# Altium PCB PCB1.PcbDoc (part 1 of 2) (continued)
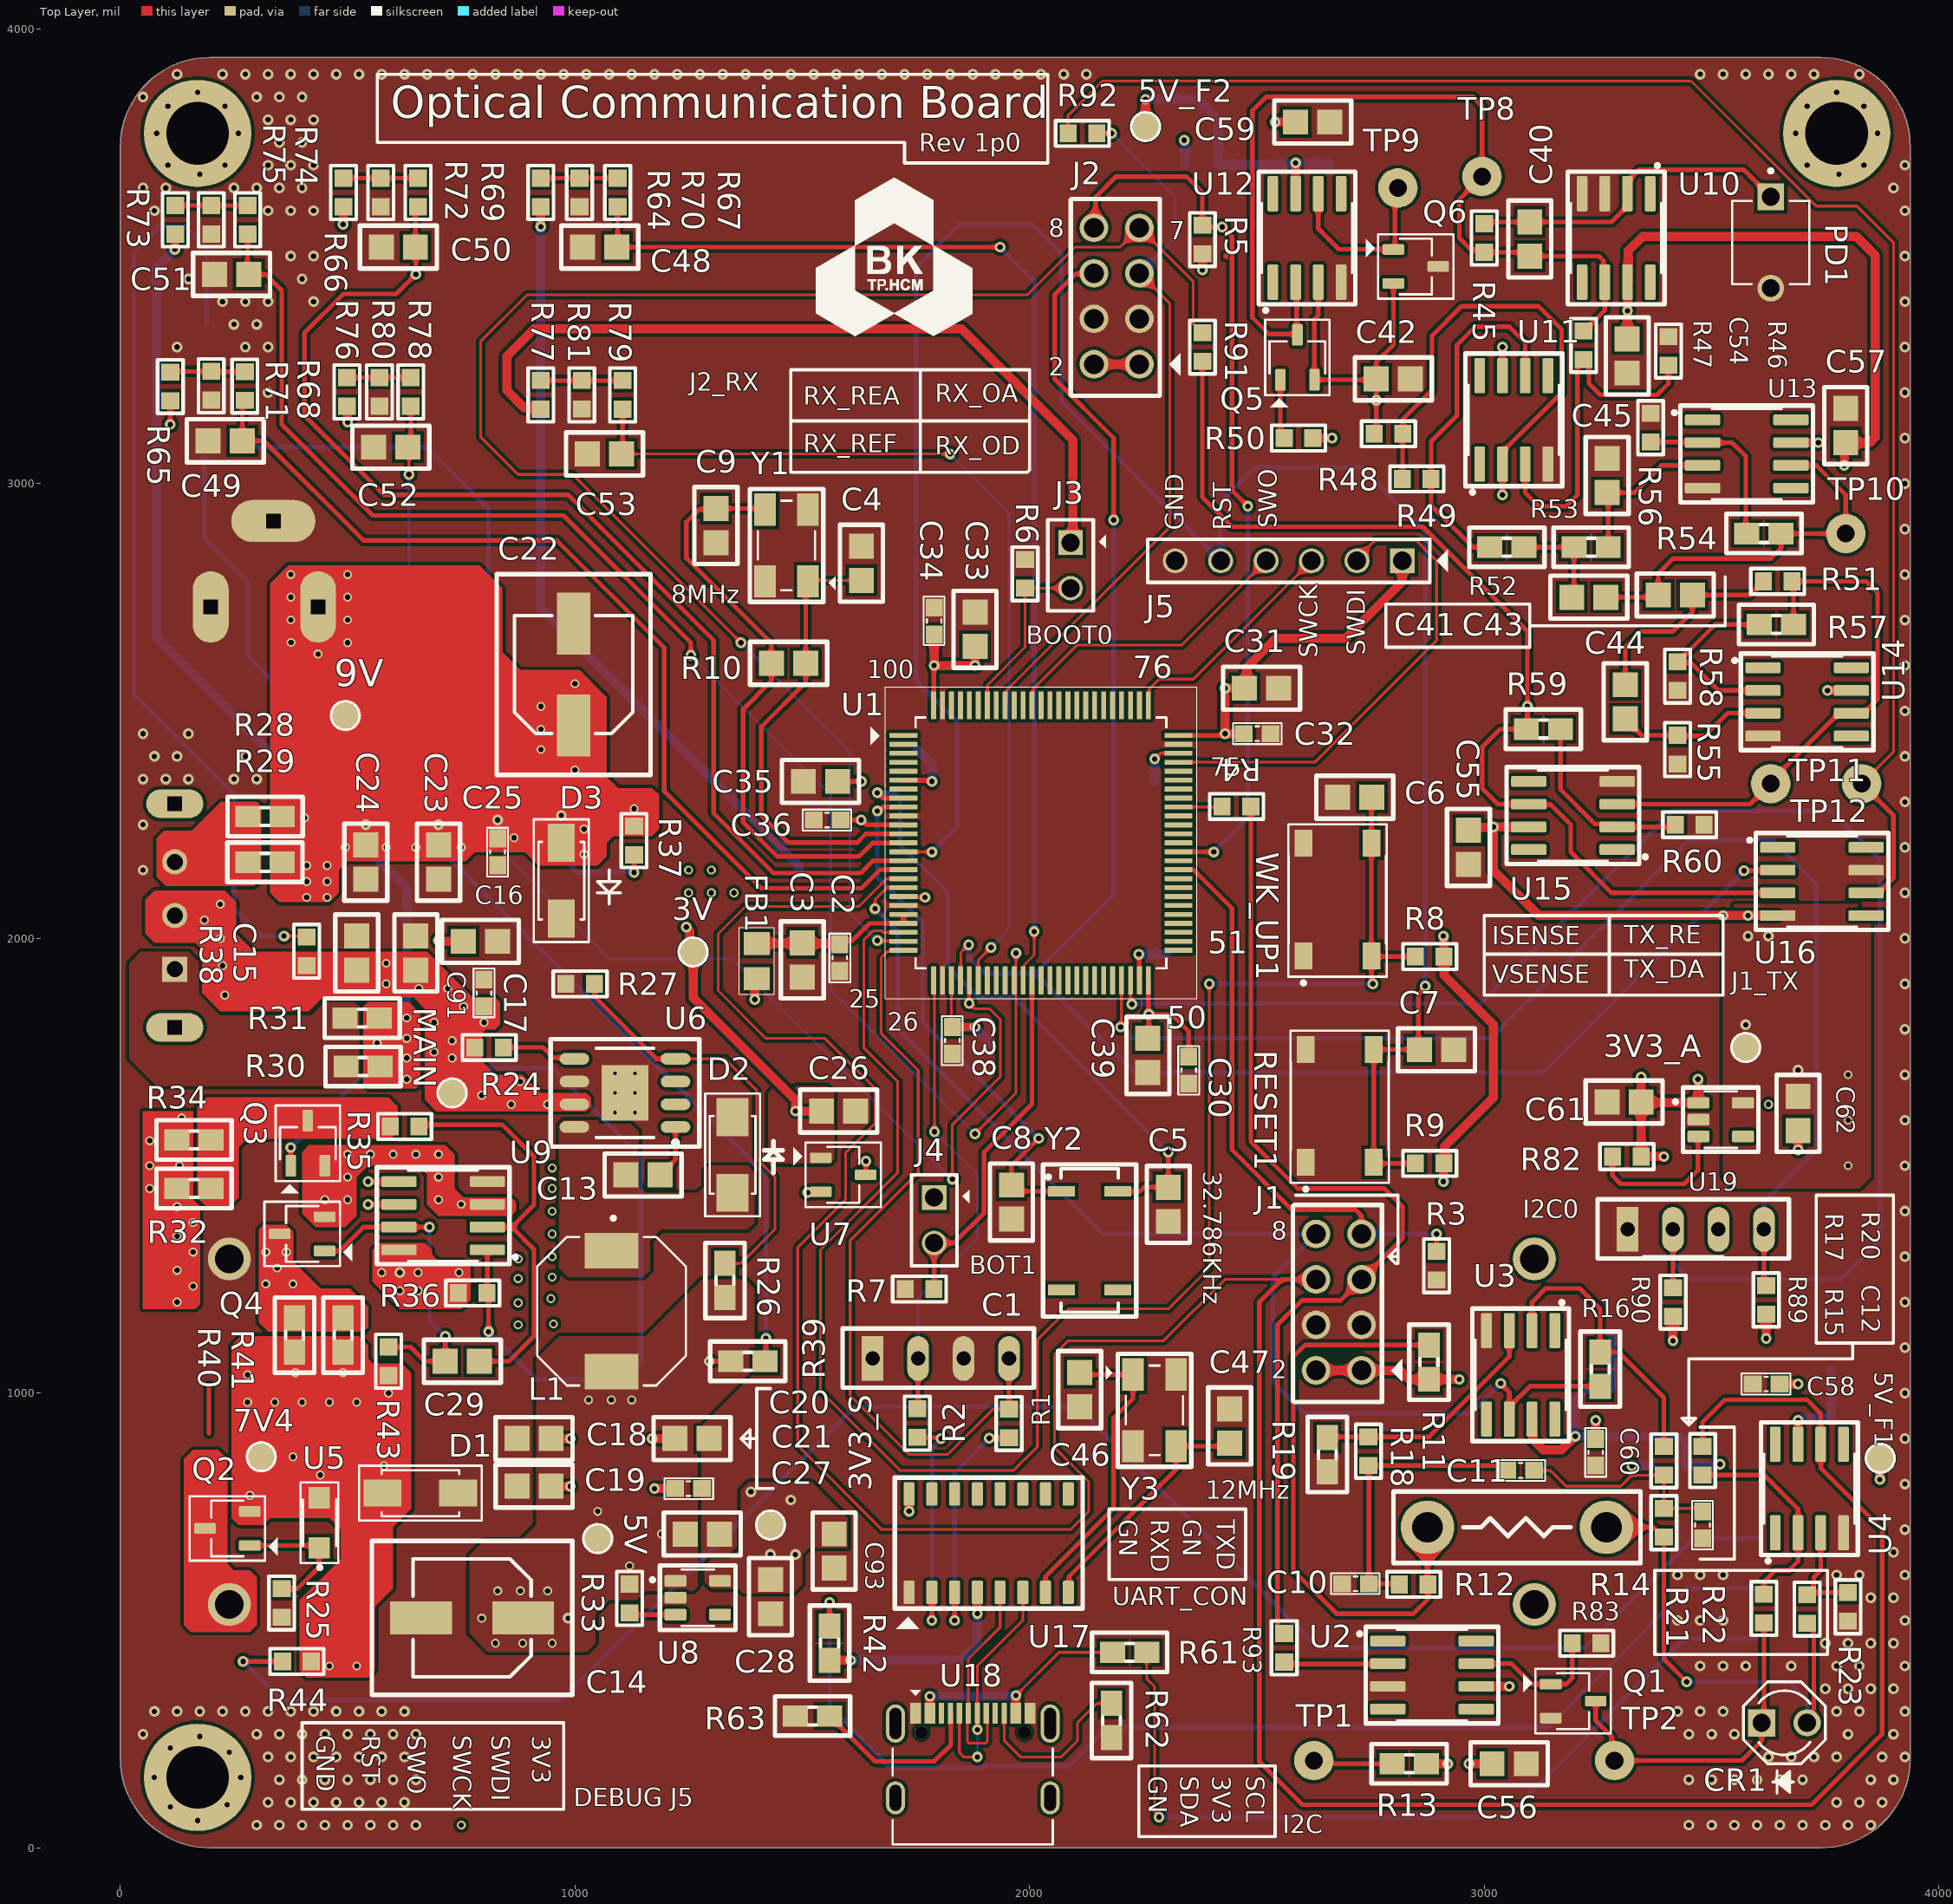
[diagram p0: Top Layer view]
## Footprints (in the part's own frame and the unit in brackets; to place one, negate y for a bottom-side part, rotate by r counter-clockwise, add the part's x,y. Pads: shape width x height; smd on the part's side, far side on the other; paste and mask are expansions set on the pad) (continued)
Test_point [mm]
  round 1.5 smd: 1(0,0)
  silkscreen extent -0.8,-0.8 0.8,0.8
TP_THT_1P0 [mm]
  round 2.2 hole 1: 1(0,0)
TSAL6100 [mil]
  round 60 hole 40 paste-99999 mask+0: A(100,0)
  rect 60x60 hole 40 paste-99999 mask+0: K(0,0)
  silkscreen extent -40,-155 140,90
TYPEC-16POS [mm]
  rect 0.6x1.15 smd: A1_B12(-3.2,4.725) A4_B9(-2.4,4.725) A9_B4(2.4,4.725) A12_B1(3.2,4.725)
  rect 0.3x1.15 smd: A5(-1.25,4.725) A6(-0.25,4.725) A7(0.25,4.725) A8(1.25,4.725) B5(1.75,4.725) B6(0.75,4.725) B7(-0.75,4.725) B8(-1.75,4.725)
  oval 1.05x1.85 hole 0.65 slot 1.45 at 90 deg: SH1(-4.32,0) SH2(4.32,0)
  oval 1.05x2.15 hole 0.65 slot 1.75 at 90 deg: SH3(-4.32,4.15) SH4(4.32,4.15)
  round 0.7 hole 0.7 unplated: ""(-2.89,3.65) ""(2.89,3.65)
  silkscreen extent -4.47,-2.6 4.47,6.02, body extent -4.47,-2.76 4.47,5.05, height 3.41
XTAL_5032 [mm]
  rect 1.2x1.8 smd: 1(-1.2,2) 2(-1.2,-2) 3(1.2,-2) 4(1.2,2)
  silkscreen extent -2.73,-3.15 2.05,3.15, body extent -1.59,-2.5 1.59,2.5, height 1.1

## Part data
3V 3V3_A 3V3_S 5V 5V_F1 5V_F2 7V4 9V MAIN: library part DB-0034, Power Rate=N/A, Design Item ID=DB-0034, Footprint Type=PAD, Size=PAD, Tolerance=N/A
BAT1: library part DB-0031, "Dual_Battery_Case_18650", Power Rate=N/A, Design Item ID=DB-0031, Footprint Path=.\Database_Library\Library.PcbLib, Footprint Type=TFT, Supplier Link=https://www.thegioiic.com/de-pin-2x18650-han-pcb, Tolerance=N/A, Type=Case
C1 I2C0: library part DB-0049, "Hàng Rào Đực Đơn 2.54mm 40 Chân 1 Hàng Cao 11.2mm Xuyên Lỗ", Power Rate=N/A, Design Item ID=DB-0049, Footprint Type=TFT, Size=TFT, Supplier=THEGIOIIC, Supplier Link=https://www.thegioiic.com/hang-rao-duc-don-2-54mm-40-chan-1-hang-cao-11-2mm-xuyen-lo, Supplier Part Number="Hàng Rào Đực Đơn 2.54mm 40 Chân 1 Hàng Cao 11.2mm Xuyên Lỗ", Tolerance=N/A, Type=CONNECTOR
C2 C17 C21 C25 C30 C32 C34 C36 C38 C85 C87 C89: library part DB-0018, "CAPACITOR SMD 10uF 25V 10% 0805", Power Rate=N/A, Supplier Part Number="Tụ Gốm 0805 10uF 25V", Tolerance=10%, Design Item ID=DB-0018, Footprint Type=SMD, Size=0805, Supplier=THEGIOIIC, Supplier Link=https://www.thegioiic.com/tu-gom-0805-10uf-25v, Type=CAPACITOR
  C17 C25: Footprint Path=.\Database_Library\Library.PcbLib
C3 C24 C26 C27 C28 C31 C33 C35 C37 C39 C54 C55 C56 C57 C58 C59 C60 C61 C62 C70 C91: library part DB-0063, "CAPACITOR SMD 1uF 16V 10% 0805", Power Rate=N/A, Supplier Part Number="Tụ Gốm 0805 1uF 16V", Tolerance=10%, Design Item ID=DB-0063, Footprint Type=SMD, Size=0805, Supplier=THEGIOIIC, Supplier Link=https://www.thegioiic.com/tu-gom-0805-1uf-16v, Type=CAPACITOR
C4 C9 C46 C47: library part DB-0047, "CAPACITOR SMD 22pF 50V 10% 0805", Power Rate=N/A, Supplier Part Number="Tụ Gốm 0805 22pF 50V", Tolerance=10%, Design Item ID=DB-0047, Footprint Type=SMD, Size=0805, Supplier=THEGIOIIC, Supplier Link=https://www.thegioiic.com/tu-gom-0805-22pf-50v, Type=CAPACITOR
C5 C8: library part DB-0075, "CAPACITOR SMD 12pF 50V 10% 0805", Power Rate=N/A, Supplier Part Number="Tụ Gốm 0805 12pF 50V", Tolerance=10%, Design Item ID=DB-0075, Footprint Type=SMD, Size=0805, Supplier=THEGIOIIC, Supplier Link=https://www.thegioiic.com/tu-gom-0805-4-7uf-50v, Type=CAPACITOR
C6 C7 C15 C18 C19 C23 C29 C41 C43 C44 C45 C86 C88 C90 C93: library part DB-0017, "CAPACITOR SMD 0.1uF 50V 10% 0603", Power Rate=N/A, Supplier Part Number="Tụ Gốm 0603 100nF (0.1uF) 25V", Tolerance=10%, Design Item ID=DB-0017, Footprint Type=SMD, Size=0603, Supplier=THEGIOIIC, Supplier Link=https://www.thegioiic.com/tu-gom-0603-100nf-0-1uf-25v, Type=CAPACITOR
  C15 C18 C19 C23: Footprint Path=.\Database_Library\Library.PcbLib
C10 C11 C12: library part DB-0027, "Tụ Gốm 0603 2.2uF 50V", Design Item ID=DB-0027, Footprint Type=SMD, Size=0603, Supplier=THEGIOIIC, Supplier Link=https://www.thegioiic.com/tu-gom-0603-2-2uf-50v
C13: library part DB-0010, "CAPACITOR SMD 0.01uF 50V 10% 0805", Power Rate=N/A, Supplier Part Number="Tụ Gốm 0805 410nF 50V", Tolerance=10%, Design Item ID=DB-0010, Footprint Path=.\Database_Library\Library.PcbLib, Footprint Type=SMD, Size=0805, Supplier=THEGIOIIC, Supplier Link=https://www.thegioiic.com/tu-gom-0805-10nf-50v, Type=CAPACITOR
C14 C22: library part DB-0044, "CAPACITOR ALU SMD 220uF 6.3V 20% 6377", Power Rate=N/A, Supplier Part Number="Tụ Nhôm SMD 330uF 6.3V 6.3x7.7mm", Tolerance=20%, Design Item ID=DB-0044, Footprint Type=SMD, Size=6377, Supplier=THEGIOIIC, Supplier Link=https://www.thegioiic.com/tu-nhom-smd-330uf-6-3v-6-3x7-7mm, Type="CAPACITOR ALU"
C16 C20: library part DB-0056, "CAPACITOR SMD 22uF 50V 10% 0805", Power Rate=N/A, Supplier Part Number="Tụ Gốm 0805 22uF 6.3V", Tolerance=10%, Design Item ID=DB-0056, Footprint Type=SMD, Size=0805, Supplier=THEGIOIIC, Supplier Link=https://www.thegioiic.com/tu-gom-0805-22uf-6-3v, Type=CAPACITOR
C40: library part DB-0025, Design Item ID=DB-0025, Footprint Type=SMD, Size=0805, Supplier=THEGIOIIC
C42 C48 C49 C50 C51 C52 C53: library part DB-0079, "CAPACITOR SMD 0.01uF 50V 10% 0603", Power Rate=N/A, Tolerance=10%, Design Item ID=DB-0079, Footprint Type=SMD, Size=0603, Supplier=THEGIOIIC, Supplier Link=https://www.thegioiic.com/tu-gom-0603-100nf-0-1uf-25v, Supplier Part Number="Tụ Gốm 0603 10nF 50V", Type=CAPACITOR
C80 C81: library part "Tụ Gốm 0603 2.2uF 50V", Design Item ID=DB-0027, Footprint Type=SMD, Size=0603, Supplier=THEGIOIIC, Supplier Link=https://www.thegioiic.com/tu-gom-0603-2-2uf-50v
CR1: library part DB-0016, Design Item ID=DB-0016, Footprint Type=DIP, Size=THT, Supplier=THEGIOIIC, Type="LED IR"
D1 D3: library part DB-0078, "TVS DIODE 12V 19.9V DO214AC", Power Rate=N/A, Supplier Part Number="TVS DIODE 5VWM 9.2VC SMA", Design Item ID=DB-0078, Footprint Type=SMD, Size=SMA, Supplier=DIGIKEY, Supplier Link=https://www.digikey.com/en/products/detail/diodes-incorporated/smaj5-0a-13/278666, Tolerance=N/A, Type=DIODE
D2: library part DB-0029, Design Item ID=DB-0029, Footprint Type=SMD
FB1 FB2 FB3: library part DB-0076, "CBW201209U121T Ferrite Beads 2A 120 Ohm 0805", Power Rate=N/A, Design Item ID=DB-0076, Footprint Type=SMD, Size=0805, Supplier=THEGIOIIC, Supplier Link=https://www.thegioiic.com/cbw201209u121t-ferrite-beads-2a-120-ohm-0805, Supplier Part Number="CBW201209U121T Ferrite Beads 2A 120 Ohm 0805", Tolerance=N/A, Type="FERRITE BEADS"
J1 J2: library part DB-0006, Design Item ID=DB-0006, Footprint Type=THT, Size=HD_2X4_FM_RA, Supplier=THEGIOIIC, Supplier Link=https://www.thegioiic.com/hang-rao-duc-doi-2-54mm-80-chan-2-hang-cao-11-2mm-xuyen-lo-chan-ma-vang, Type=HEADER
J3 J4: library part DB-0085, "Hàng Rào Đực Đơn 2.54mm 40 Chân 1 Hàng Cao 11.2mm Xuyên Lỗ", Power Rate=N/A, Design Item ID=DB-0085, Footprint Type=TFT, Size=TFT, Supplier=THEGIOIIC, Supplier Link=https://www.thegioiic.com/hang-rao-duc-don-2-54mm-40-chan-1-hang-cao-11-2mm-xuyen-lo, Supplier Part Number="Hàng Rào Đực Đơn 2.54mm 40 Chân 1 Hàng Cao 11.2mm Xuyên Lỗ", Tolerance=N/A, Type=CONNECTOR
J5: library part DB-0084, "Hàng Rào Đực Đơn 2.54mm 40 Chân 1 Hàng Cao 11.2mm Xuyên Lỗ", Power Rate=N/A, Design Item ID=DB-0084, Footprint Type=TFT, Size=TFT, Supplier=THEGIOIIC, Supplier Link=https://www.thegioiic.com/hang-rao-duc-don-2-54mm-40-chan-1-hang-cao-11-2mm-xuyen-lo, Supplier Part Number="Hàng Rào Đực Đơn 2.54mm 40 Chân 1 Hàng Cao 11.2mm Xuyên Lỗ", Tolerance=N/A, Type=CONNECTOR
J6: library part DB-0009, Design Item ID=DB-0009, Footprint Type=THT, Size=5525
L1: library part "Cuộn Cảm Dán SMD 8D43-100 10uH 5.5A", Design Item ID=DB-0011, Footprint Type=SMD, Size=IND_8D43, Supplier=THEGIOIIC, Supplier Link=https://www.thegioiic.com/cuon-cam-dan-smd-8d43-100-10uh-5-5a
PD1: library part DB-0024, Design Item ID=DB-0024, Footprint Type=DIP, Size=DIP-2, Type=PD
PW_3V3_S0 PW_5VS0 PW_IN0 PW_IN_BU0 PW_MAIN0 PW_USB0: library part DB-0020, "Size 2x1.2mm, điện áp 1.8-2.6VDC", Power Rate=N/A, Supplier Part Number="LED Đỏ 0805 Dán SMD Trong Suốt Harvatek", Design Item ID=DB-0020, Footprint Type=SMD, Size=0806, Supplier=THEGIOIIC, Supplier Link=https://www.thegioiic.com/led-do-0805-dan-smd-trong-suot-harvatek, Tolerance=N/A, Type=LED
Q1: library part DB-0018, "LN2302LT1G MOSFET Kênh N 20V 2.3A SOT-23-3", Design Item ID=DB-0018, Footprint Type=SMD, Size=SOT23, Supplier=THEGIOIIC, Type=MOSFET
Q2 Q3 Q4: library part DB-0041, "AO3407A MOSFET Kênh P 30V 4.3A SOT-23-3", Power Rate=N/A, Design Item ID=DB-0041, Footprint Type=SMD, Size=SOT23-3, Supplier=THEGIOIIC, Supplier Link=https://www.thegioiic.com/ao3407a-mosfet-kenh-p-30v-4-3a-sot-23-3, Supplier Part Number="AO3407A MOSFET Kênh P 30V 4.3A SOT-23-3", Tolerance=N/A, Type=P_MOSFET
Q5: library part DB-0023, "SS8050 Y1 Transistor NPN 25V 1.5A 3 Chân SOT-23", Design Item ID=DB-0023, Footprint Type=SMD, Size=SOT23, Supplier=THEGIOIIC, Type=BJT
Q6: library part DB-0022, "SS8550 Y2 Transistor PNP 25V 1.5A 3 Chân SOT-23", Design Item ID=DB-0022, Footprint Type=SMD, Size=SOT23, Supplier=THEGIOIIC, Type=BJT
R1 R2 R86 R91 R92 R93: library part DB-0040, "RESISTOR SMD 0KR OHM 1% 100mW 0603", Power Rate=100mW, Supplier Part Number="Điện Trở 0 Ohm 0603 1%", Tolerance=1%, Design Item ID=DB-0040, Footprint Type=SMD, Size=0603, Supplier=THEGIOIIC, Supplier Link=https://www.thegioiic.com/dien-tro-0-ohm-0603-1-, Type=RESISTOR
R3 R5: library part DB-0027, "RESISTOR SMD 12KR OHM 1% 100mW 0603", Power Rate=100mW, Supplier Part Number="Điện Trở 12 KOhm 0603 1%", Tolerance=1%, Design Item ID=DB-0027, Footprint Type=SMD, Size=0603, Supplier=THEGIOIIC, Supplier Link=https://www.thegioiic.com/dien-tro-12-kohm-0603-1-, Type=RESISTOR
R4: library part DB-0007, Design Item ID=DB-0007, Footprint Type=SMD, Size=0603, Supplier=THEGIOIIC, Supplier Link=https://www.thegioiic.com/dien-tro-22-ohm-0603-1-, Type=RESISTOR
R6 R7 R8 R9 R17 R18 R24 R25 R27 R33 R36 R43 R50 R56 R58 R64 R71 R72 R75 R76 R77 R80 R82 R83 R89 R90: library part DB-0003, "RESISTOR SMD 10KR OHM 1% 100mW 0603", Power Rate=100mW, Supplier Part Number="Điện Trở 10 KOhm 0603 1%", Tolerance=1%, Design Item ID=DB-0003, Footprint Type=SMD, Size=0603, Supplier=THEGIOIIC, Supplier Link=https://www.thegioiic.com/dien-tro-10-kohm-0603-1-, Type=RESISTOR
  R24 R27: Footprint Path=.\Database_Library\Library.PcbLib
R10: library part DB-0074, "RESISTOR SMD 1 MOHM 1% 100mW 0805", Power Rate=100mW, Tolerance=1%, Design Item ID=DB-0074, Footprint Type=SMD, Size=0805, Supplier=THEGIOIIC, Supplier Link=https://www.thegioiic.com/dien-tro-1-mohm-0805-1-, Supplier Part Number="Điện Trở 1 MOhm 0805 1%", Type=RESISTOR
R11: library part DB-0017, Design Item ID=DB-0017, Footprint Type=SMD, Size=0805, Supplier=THEGIOIIC, Supplier Link=https://www.thegioiic.com/dien-tro-36-ohm-0805-5-, Type=RESISTOR
R12 R15: library part DB-0028, "Điện Trở 10 Ohm 0603 1%", Design Item ID=DB-0028, Footprint Type=SMD, Size=0603, Supplier=THEGIOIIC, Supplier Link=https://www.thegioiic.com/dien-tro-10-ohm-0603-1-, Type=RESISTOR
R13 R26: library part DB-0012, "Điện Trở 30.9 KOhm 0805 1%", Design Item ID=DB-0012, Footprint Type=SMD, Size=0805, Supplier=THEGIOIIC, Supplier Link=https://www.thegioiic.com/dien-tro-30-9-kohm-0805-1-, Type=RESISTOR
R14: library part DB-0004, Design Item ID=DB-0004, Footprint Type=THT, Size=±1%, Supplier=THEGIOIIC, Supplier Link=https://www.thegioiic.com/dien-tro-sense-0-005-ohm-5mr
R16 R19 R59: library part DB-0026, Design Item ID=DB-0026, Footprint Type=SMD, Size=0805, Supplier=THEGIOIIC
R20 R21 R22 R23 R46 R47 R48 R49 R60: library part DB-0008, "RESISTOR SMD 100KR OHM 1% 100mW 0603", Power Rate=100mW, Supplier Part Number="Điện Trở 100 KOhm 0603 1%", Tolerance=1%, Design Item ID=DB-0008, Footprint Type=SMD, Size=0603, Supplier=THEGIOIIC, Supplier Link=https://www.thegioiic.com/dien-tro-100-kohm-0603-1-, Type=RESISTOR
R28 R29 R30 R31 R32 R34 R40 R41: library part DB-0015, Design Item ID=DB-0015, Footprint Type=SMD, Size=0805, Supplier=THEGIOIIC, Supplier Link=https://www.thegioiic.com/san-pham/dien-tro-dan-smd?prid=21990, Type=RESISTOR
R35: library part DB-0081, "RESISTOR SMD 1KR OHM 1% 100mW 0603", Power Rate=100mW, Supplier Part Number="Điện Trở 1 KOhm 0603 1%", Tolerance=1%, Design Item ID=DB-0081, Footprint Type=SMD, Size=0603, Supplier=THEGIOIIC, Supplier Link=https://www.thegioiic.com/dien-tro-1-kohm-0603-1-, Type=RESISTOR
R37 R38 R44: library part DB-0001, "RESISTOR SMD 680R OHM 5% 100mW 0603", Power Rate=100mW, Supplier Part Number="Điện Trở 680 Ohm 0603 5%", Tolerance=5%, Design Item ID=DB-0001, Footprint Type=SMD, Size=0603, Supplier=THEGIOIIC, Supplier Link=https://www.thegioiic.com/dien-tro-680-ohm-0603-5-, Type=RESISTOR
R39 R42 R61: library part DB-0048, "RESISTOR SMD 330R OHM 1% 125mW 0805", Power Rate=125mW, Supplier Part Number="Điện Trở 330 Ohm 0805 1%", Tolerance=1%, Design Item ID=DB-0048, Footprint Type=SMD, Size=0806, Supplier=THEGIOIIC, Supplier Link=https://www.thegioiic.com/dien-tro-330-ohm-0805-1-, Type=RESISTOR
R45: library part DB-0009, "RESISTOR SMD 470KR OHM 1% 100mW 0603", Power Rate=100mW, Supplier Part Number="Điện Trở 470 KOhm 0603 1%", Tolerance=1%, Design Item ID=DB-0009, Footprint Type=SMD, Size=0603, Supplier=THEGIOIIC, Supplier Link=https://www.thegioiic.com/dien-tro-470-kohm-0603-1-, Type=RESISTOR
R51 R55: library part "Điện Trở 15 KOhm 0603 1%", Design Item ID=DB-0034, Footprint Type=SMD, Size=0603, Supplier=THEGIOIIC, Supplier Link=https://www.thegioiic.com/dien-tro-15-kohm-0603-1-, Type=RESISTOR
R52 R53: library part DB-0033, "Điện Trở 68 Ohm 0805 1%", Design Item ID=DB-0033, Footprint Type=SMD, Size=0805, Supplier=THEGIOIIC, Supplier Link=https://www.thegioiic.com/dien-tro-68-ohm-0805-1-, Type=RESISTOR
R54 R57: library part DB-0023, "RESISTOR SMD 5.6KR OHM 1% 125mW 0805", Power Rate=125mW, Supplier Part Number="Điện Trở 5.6 KOhm 0805 1%", Tolerance=1%, Design Item ID=DB-0023, Footprint Type=SMD, Size=0805, Supplier=THEGIOIIC, Supplier Link=https://www.thegioiic.com/dien-tro-5-6-kohm-0805-1-, Type=RESISTOR
R62 R63: library part DB-0002, Design Item ID=DB-0002, Footprint Type=SMD, Size=0805, Supplier=THEGIOIIC, Supplier Link=https://www.thegioiic.com/dien-tro-5-1-kohm-0805-1-, Type=RESISTOR
R65 R66 R73: library part DB-0030, "Điện Trở 22 KOhm 0603 1%", Design Item ID=DB-0030, Footprint Type=SMD, Size=0603, Supplier=THEGIOIIC, Supplier Link=https://www.thegioiic.com/dien-tro-22-kohm-0603-1-, Type=RESISTOR
R67 R68 R69 R74 R78 R79: library part DB-0032, "Điện Trở 100 Ohm 0603 1%", Design Item ID=DB-0032, Footprint Type=SMD, Size=0603, Supplier=THEGIOIIC, Supplier Link=https://www.thegioiic.com/dien-tro-100-ohm-0603-1-, Type=RESISTOR
R70 R81: library part DB-0031, "Điện Trở 20 KOhm 0603 1%", Design Item ID=DB-0031, Footprint Type=SMD, Size=0603, Supplier=THEGIOIIC, Supplier Link=https://www.thegioiic.com/dien-tro-20-kohm-0603-1-, Type=RESISTOR
RESET1 WK_UP1: library part DB-0051, "Nút Nhấn 4x4mm Cao 1.5mm 4 Chân SMD Chống Nước", Power Rate=N/A, Design Item ID=DB-0051, Footprint Type=SMD, Size=BUTTON_SMD, Supplier=THEGIOIIC, Supplier Link=https://www.thegioiic.com/nut-nhan-4x4mm-cao-1-5mm-4-chan-smd-chong-nuoc, Supplier Part Number="Nút Nhấn 4x4mm Cao 1.5mm 4 Chân SMD Chống Nước", Tolerance=N/A, Type=BUTTON
SW1: library part DB-0083, "SS-12F23G4 Công Tắc Trượt 5 Chân Xuyên Lỗ ON-OFF Chỉnh Ngang 1P2T 2A", Power Rate=2A, Tolerance=N/A, Design Item ID=DB-0083, Footprint Type=TFT, Size=SW-TH, Supplier=THEGIOIIC, Supplier Link=https://www.thegioiic.com/ss-12f23g4-cong-tac-truot-5-chan-xuyen-lo-on-off-chinh-ngang-1p2t-2a, Supplier Part Number="SS-12F23G4 Công Tắc Trượt 5 Chân Xuyên Lỗ ON-OFF Chỉnh Ngang 1P2T 2A", Type="SLIDE SWITCH"
TP1 TP2 TP8 TP9 TP10 TP11 TP12: library part DB-0003, Design Item ID=DB-0003, Footprint Type=THT, Size=1P0, Type=TP
U1: library part DB-0071, "IC MCU 32BIT 512KB FLASH 100LQFP", Power Rate=N/A, Design Item ID=DB-0071, Footprint Type=SMD, Size=100LQFP, Supplier=THEGIOIIC, Tolerance=N/A, Type=MCU
U2: library part DB-0019, Design Item ID=DB-0019, Footprint Type=SMD, Size=8-SOIC, Supplier=THEGIOIIC, Type="IC DRV FET"
U3 U4 U12: library part DB-0014, "Zero-Drift Amplifier 1 Circuit Rail-to-Rail 8-SOIC", Power Rate=N/A, Design Item ID=DB-0014, Footprint Type=SMD, Size=8-SOIC, Supplier=DIGIKEY, Supplier Link=https://www.digikey.com/en/products/detail/texas-instruments/OPA188AID/4146941, Supplier Part Number=OPA188AID, Tolerance=N/A, Type=IC
U5: library part DB-0042, "BZT52H-C12 Diode Zener 12V 375mW SOD-123F", Power Rate=375mW, Tolerance=5%, Design Item ID=DB-0042, Footprint Type=SMD, Size=SOD-123F, Supplier=THEGIOIIC, Supplier Link=https://www.thegioiic.com/bzt52c5v1-diode-zener-5-1v-500mw, Supplier Part Number="BZT52H-C12 Diode Zener 12V 375mW SOD-123F", Type=DIODE_ZE
U6: library part DB-0002, "TPS543x 3A, Wide Input Range, Step-Down Converter", Power Rate=N/A, Supplier Part Number="TPS5430DDAR IC Điều Chỉnh Giảm Áp 3A 8-SOIC", Design Item ID=DB-0002, Footprint Path=.\Database_Library\Library.PcbLib, Footprint Type=SMD, Size=8-SOIC, Supplier=THEGIOIIC, Supplier Link=https://www.thegioiic.com/tps5430ddar-ic-dieu-chinh-giam-ap-3a-8-soic, Tolerance=N/A, Type=IC
U7: library part DB-0013, "DIODE ARRAY SCHOTTKY 30V SOT23-3", Design Item ID=DB-0013, Footprint Type=SMD, Size=SOT23, Supplier=THEGIOIIC, Supplier Link=https://www.thegioiic.com/bat54c, Type="DIODE SCHOTTKY"
U8 U19: library part DB-0062, "IC REG LINEAR 3.3V 500MA SOT23-5", Power Rate=N/A, Supplier Part Number="RT9013-33GB IC Ổn Áp 3.3V 500mA SOT-23-5", Design Item ID=DB-0062, Footprint Type=SMD, Size=SOT-23-5, Supplier=THEGIOIIC, Supplier Link=https://www.thegioiic.com/rt9013-33gb-ic-on-ap-3-3v-500ma-sot-23-5, Tolerance=N/A, Type=IC
U9: library part DB-0010, Design Item ID=DB-0010, Footprint Type=SMD, Size=8-SOIC, Supplier=THEGIOIIC
U10: library part DB-0020, Design Item ID=DB-0020, Footprint Type=SMD, Size=8-SOIC
U11 U13 U14 U15 U16: library part DB-0021, Design Item ID=DB-0021, Footprint Type=SMD, Size=8-SOIC
U17: library part DB-0087, Design Item ID=DB-0087
U18: library part DB-0088, Design Item ID=DB-0088, Type=USB
VBAT1: library part DB-0072, "BS-6 Đế Pin CR2032 CR2025 Dán SMD", Power Rate=N/A, Design Item ID=DB-0072, Footprint Type=SMD, Size=SMD, Supplier=THEGIOIIC, Supplier Link=https://www.thegioiic.com/bs-6-de-pin-cr2032-cr2025-dan-smd, Supplier Part Number="BS-6 Đế Pin CR2032 CR2025 Dán SMD", Tolerance=N/A, Type="HOLDER BAT"
Y1: library part DB-0008, Design Item ID=DB-0008, Footprint Type=SMD, Size=5033, Supplier=THEGIOIIC, Supplier Link=https://www.thegioiic.com/thach-anh-12mhz-5032-4-chan-smd, Type=XTAL
Y2: library part DB-0064, "CRYSTAL 32.7680KHZ 12.5PF SMD", Power Rate=N/A, Supplier Part Number="Thạch Anh 32.768KHz MC-306 4 Chân", Design Item ID=DB-0064, Footprint Type=SMD, Size=4-SOJ, Supplier=THEGIOIIC, Supplier Link=https://www.thegioiic.com/thach-anh-32-768khz-mc-306-4-chan, Tolerance=N/A, Type=XTAL
Y3: library part DB-0001, Design Item ID=DB-0001, Footprint Type=SMD, Size=5033, Supplier=THEGIOIIC, Supplier Link=https://www.thegioiic.com/thach-anh-12mhz-5032-4-chan-smd, Type=XTAL

## Free pads (board coordinates)
  round 236.22 hole 137.79: 28(170,155) 28(170,3770) 28(3775,3770)

## Via types
v1: diameter 23.62/23.62/23.62/23.62 (per signal layer), hole 11.81, Top Layer to Bottom Layer, tented both sides, 242 vias
v2: diameter 19.68, hole 11.81, Top Layer to Bottom Layer, tented both sides, 162 vias
v3: diameter 23.62, hole 11.81, Top Layer to Bottom Layer, tented both sides, 111 vias
v4: diameter 23.62, hole 11.81, Top Layer to Bottom Layer, 25 vias
v5: diameter 19.68, hole 7.87, Top Layer to Bottom Layer, 6 vias
v6: diameter 19.68/19.68/19.68/19.68 (per signal layer), hole 11.81, Top Layer to Bottom Layer, tented both sides, 3 vias

## Nets (pads, with @x,y where several pads share a name; then routed paths per layer and width w, separated by ;. In a path a pad name is that pad's centre, name@x,y a point inside that pad or via, vN(x,y) a via of type N, cw(c..) or ccw(c..) an arc to the next point about the centre after c; other vN are vias at no path point)
A_VDD: C2.1 C3.1 FB1.2 U1.21 U1.22 | length 376.8
  Top Layer w10: C2.1@1581.01,1988.51 C2.1@1582.5,1987.03 1590.82,1995.34 1610.34,1995.34 1647.83,2032.83 U1.22@1722.64,2032.83 U1.21@1722.64,2052.52
  Top Layer w20: FB1.2@1400,1988.31 1400.85,1989.15 1499.15,1989.15 C3.1@1500,1990 1501.49,1988.51 1581.01,1988.51 1586.12,1993.62 1588.08,1993.62 C2.1@1591.18,1996.71
AMD_OUT: C42.1 Q5.2 Q6.2 R48.1 R86.2 U12.3 | length 776.6
  Top Layer w10: U12.3@2635,3442.76 2635,3370 2626.42,3361.42 Q5.2@2626.42,3228.09 2760.49,3228.09 C42.1@2762.4,3230 ; R48.1@2758.5,3110 2762.4,3113.89 v4(2762.4,3182.76) C42.1@2762.4,3230 ; Q6.2@2800,3440 2800,3305 2762.4,3267.4 C42.1@2762.4,3230
  Bottom Layer w10: R86.2@2758.5,3110 2762.4,3113.89 v4(2762.4,3182.76)
BOOT0: J3.02 R6.2 U1.94 | length 392.1
  Top Layer w6: U1.94@1906.89,2512.36 1906.89,2556.89 1990,2640 R6.2@1990,2770 J3.02@2090,2770
BOOT1: J4.02 R7.2 U1.37 | length 793.9
  Top Layer w10: R7.2@1789.21,1228.89 1790,1229.68 J4.02@1790,1330 1833.81,1330 1900,1396.19 1900,1530 2005.32,1635.32 U1.37@2005.32,1907.64
CH340G_RXD: R1.2 U17.3 | length 537.8
  Top Layer w10: v3(1835,500) U17.3@1835,561.73 ; v3(1911.28,900.78) 1953.77,900.78 R1.2@1954.64,901.65
  Bottom Layer w10: v3(1835,500) 1835,824.49 v3(1911.28,900.78)
CH340G_TXD: R2.2 U17.2 | length 523.2
  Top Layer w10: R2.2@1752.84,902.39 1802.61,902.39 v3(1805,900) ; v3(1785,500) U17.2@1785,561.73
  Bottom Layer w10: v3(1785,500) 1785,880 v3(1805,900)
DA_OUT: R49.2 R52.1 U11.6 | length 797.6
  Top Layer w10: R52.1@3012.05,2860 2975,2860 2882.99,2952.01 R49.2@2882.99,3010 2882.99,3092.99 2940,3150 2940,3305 2980,3345 3055,3345 3090,3310 U11.6@3090,3237.24
DA_Vneg: R48.2 R49.1 U11.2 | length 1092.9
  Top Layer w10: R49.1@2820,3010 2820,3108.5 2821.5,3110 2821.5,3141.81 2885,3205.31 2885,3325 2950,3390 3119.14,3390 3170,3339.14 3170,3199.72 3040,3069.72 U11.2@3040,3042.76 v3(3040,2975)
DA_Vpos: R46.1 R47.2 U11.3 | length 796.1
  Top Layer w10: U11.3@3090,3042.76 3090,2980 3120,2950 3180,2950 3205,2975 3205,3258.87 R47.2@3218.4,3272.27 3230,3260.67 3230,3220 3255,3195 3380,3195 3405,3220 R46.1@3405,3260
GND: BAT1.2+ C1.1 C1.3 C2.2 C3.2 C4.1 C5.2 C6.1 C7.1 C8.2 C9.1 C10.2 C12.2 C14.2 C15.2 C16.2 C17.2 C18.2 C19.2 C20.2 C21.2 C22.2 C23.2 C24.2 C25.2 C26.2 C27.2 C28.2 C30.2 C31.2 C32.2 C33.2 C34.2 C35.2 C36.2 C37.2 C38.2 C39.2 C42.2 C45.1 C46.1 C47.1 C48.2 C49.2 C50.2 C51.2 C52.2 C53.2 C54.2 C55.2 C56.2 C57.2 C58.2 C59.2 C60.2 C61.2 C62.2 C70.2 C80.1 C81.1 C85.2 C86.2 C87.2 C88.2 C89.2 C90.2 C91.2 C93.2 D1.1 D2.1 D3.1 I2C0.1 J1.3 J1.4 J2.3 J2.4 J5.06 J6.2 J6.3 PD1.A PW_3V3_S0.C PW_5VS0.C PW_IN0.C PW_IN_BU0.C PW_MAIN0.C PW_USB0.C Q1.2 Q6.3 R3.1 R5.1 R6.1 R7.1 R19.1 R23.1 R25.1 R27.1 R46.2 R55.1 R56.1 R58.1 R60.1 R62.1 R63.1 R70.1 R71.1 R72.1 R75.1 R80.1 R81.1 R83.1 R86.1 RESET1.1 U1.10 U1.20 U1.27 U1.74 U1.99 U2.3 U3.4 U4.4 U6.6 U6.9 U8.2 U9.4 U10.3 U10.4 U11.4 U12.4 U13.4 U14.4 U15.4 U16.7 U17.1 U18.A1_B12 U18.A12_B1 U19.2 VBAT1.2 WK_UP1.1 Y1.2 Y1.4 Y3.2 Y3.4 | length 77.4
  Top Layer w20: v4(2380,3470) R5.1@2380,3505 ; v4(3690,1535) C62.2@3690,1577.4
  other v1: 300,50 350,50 400,50 450,50 500,50 550,50 600,50 650,50 3450,50 3500,50 3550,50 3600,50 3650,50 3700,50 3750,50 3800,50 3850,50 325,100 375,100 425,100 475,100 525,100 575,100 625,100 3775,100 3825,100 3875,100 350,150 400,150 450,150 500,150 550,150 600,150 650,150 3450,150 3500,150 3550,150 3600,150 3650,150 3700,150 3850,150 3900,150 325,200 375,200 425,200 475,200 525,200 575,200 625,200 3625,200 3675,200 3725,200 3775,200 3875,200 3925,200 50,250 300,250 350,250 400,250 450,250 500,250 550,250 600,250 650,250 3450,250 3500,250 3550,250 3800,250 3900,250 75,300 125,300 175,300 225,300 275,300 325,300 375,300 425,300 475,300 525,300 575,300 625,300 3425,300 3475,300 3525,300 3775,300 3825,300 3925,300 3750,350 3800,350 3850,350 3900,350 3475,400 3525,400 3575,400 3675,400 3775,400 3825,400 3925,400 3750,450 3800,450 3850,450 3900,450 3425,500 3475,500 3525,500 3925,500 3850,550 3900,550 3425,600 3475,600 3525,600 3775,600 3825,600 3925,600 3900,650 3925,700 3925,800 3925,900 3925,1000 3925,1100 3925,1200 3925,1300 3925,1400 3925,1500 3925,1600 3925,1700 3925,1800 3925,1900 3925,2000 3925,2100 50,2150 3925,2200 50,2250 3925,2300 50,2350 100,2350 150,2350 250,2350 300,2350 75,2400 125,2400 275,2400 3925,2400 50,2450 150,2450 3925,2500 3925,2600 3925,2700 3925,2800 3925,2900 3925,3000 3925,3100 325,3200 3925,3200 125,3300 275,3300 325,3300 3925,3300 250,3350 300,3350 225,3400 275,3400 325,3400 425,3400 3925,3400 150,3450 400,3450 375,3500 425,3500 3925,3500 75,3600 325,3600 375,3600 425,3600 3925,3600 50,3650 100,3650 250,3650 300,3650 350,3650 400,3650 3900,3650 325,3700 375,3700 425,3700 3925,3700 350,3750 400,3750 325,3800 375,3800 425,3800 50,3850 300,3850 350,3850 400,3850 125,3900 225,3900 275,3900 325,3900 375,3900 425,3900 475,3900 525,3900 575,3900 625,3900 675,3900 725,3900 775,3900 825,3900 875,3900 925,3900 975,3900 1025,3900 1075,3900 1125,3900 1175,3900 1225,3900 1275,3900 1325,3900 1375,3900 1425,3900 1475,3900 1525,3900 1575,3900 1625,3900 1675,3900 1725,3900 1775,3900 1825,3900 1875,3900 1925,3900 1975,3900 2025,3900 2075,3900 2125,3900 3475,3900 3525,3900 3575,3900 3625,3900 3675,3900 3725,3900 3825,3900
  other v5: 1088.35,1616.69 1131.65,1616.69 1088.35,1660 1131.65,1660 1088.35,1703.31 1131.65,1703.31
"HPF _IN": C45.2 R53.2 U13.3 | length 355.9
  Top Layer w10: R53.2@3272.6,2860 3272.6,2977.4 C45.2@3270,2980 3330,2980 3390,3040 U13.3@3480,3040
"HPF _OUT": C41.2 C43.1 R54.2 TP10.1 U13.6 | length 864.6
  Top Layer w10: C41.2@3267.6,2750 3377.4,2750 C43.1@3382.4,2755 3382.4,2802.4 3415,2835 3630,2835 3652.24,2857.24 3652.24,2889.64 R54.2@3652.6,2890 TP10.1@3795,2890 3795,2975 3730,3040 U13.6@3674.49,3040
I2C_SCL: I2C0.4 R89.1 U1.47 | length 2797.3
  Top Layer w6: v4(2200,1805) 2202.17,1807.17 U1.47@2202.17,1907.64
  Top Layer w10: I2C0.4@3615,1360 3615,1241.49 R89.1@3620,1236.5
  Bottom Layer w10: v4(2200,1805) 2225,1780 3015,1780 3450.75,2215.75 3634.25,2215.75 3730,2120 3730,1535 3615,1420 I2C0.4@3615,1360
I2C_SDA: I2C0.2 R90.1 U1.48 | length 3465.5
  Top Layer w6: U1.48@2221.85,1907.64 2221.85,1858.15 v4(2225,1855)
  Top Layer w10: R90.1@3415,1231.5 I2C0.2@3415,1360
  Bottom Layer w10: v4(2225,1855) 2226.69,1856.69 2991.69,1856.69 3415,2280 3765,2280 3870,2175 3870,1335 3785,1250 3452,1250 3415,1287 I2C0.2@3415,1360
LED_ISENSE: J1.8 R16.2 U1.18 U3.6 | length 2713.1
  Top Layer w6: v3(1660,2065) 1660.4,2065.4 1660.4,2085.4 1686.54,2111.54 1722.6,2111.54 U1.18@1722.64,2111.57
  Top Layer w10: v3(3036.19,1021.51) 3036.19,1021.21 3055,1002.4 U3.6@3055,969.72 ; U3.6@3055,942.76 U3.6@3055,969.72 ; R16.2@3255,1015 3100.28,1015 U3.6@3055,969.72
  Bottom Layer w10: v3(1660,2065) 1710,2015 1710,1800 2160,1350 J1.8@2630,1350 2535,1255 2535,1025 2605,955 2969.68,955 v3(3036.19,1021.51)
LED_ISENSE_N: C11.2 C12.1 R15.2 R17.1 | length 471
  Top Layer w6: C11.2@3109.53,830 3145,830 3180,795 3300,795 3323.19,818.19 3334.03,818.19 3335.35,819.5 R17.1@3395,819.5 R15.2@3395,746.5 3473.03,746.5 C12.1@3480,739.53
LED_ISENSE_N_R: CR1.A R14.1 R15.1 R22.1 | length 1037.2
  Top Layer w10: R14.1@3268.7,705 3372.52,705 3394.02,683.5 R15.1@3395,683.5 3395,415 v3(3445,365) ; CR1.A@3710,275 3710,289.61 3725,304.61 R22.1@3725,500
  Bottom Layer w10: v3(3445,365) 3670,365 3710,325 CR1.A@3710,275